# Allegro board POWERBOARD_V1_11_20240516.brd (continued)
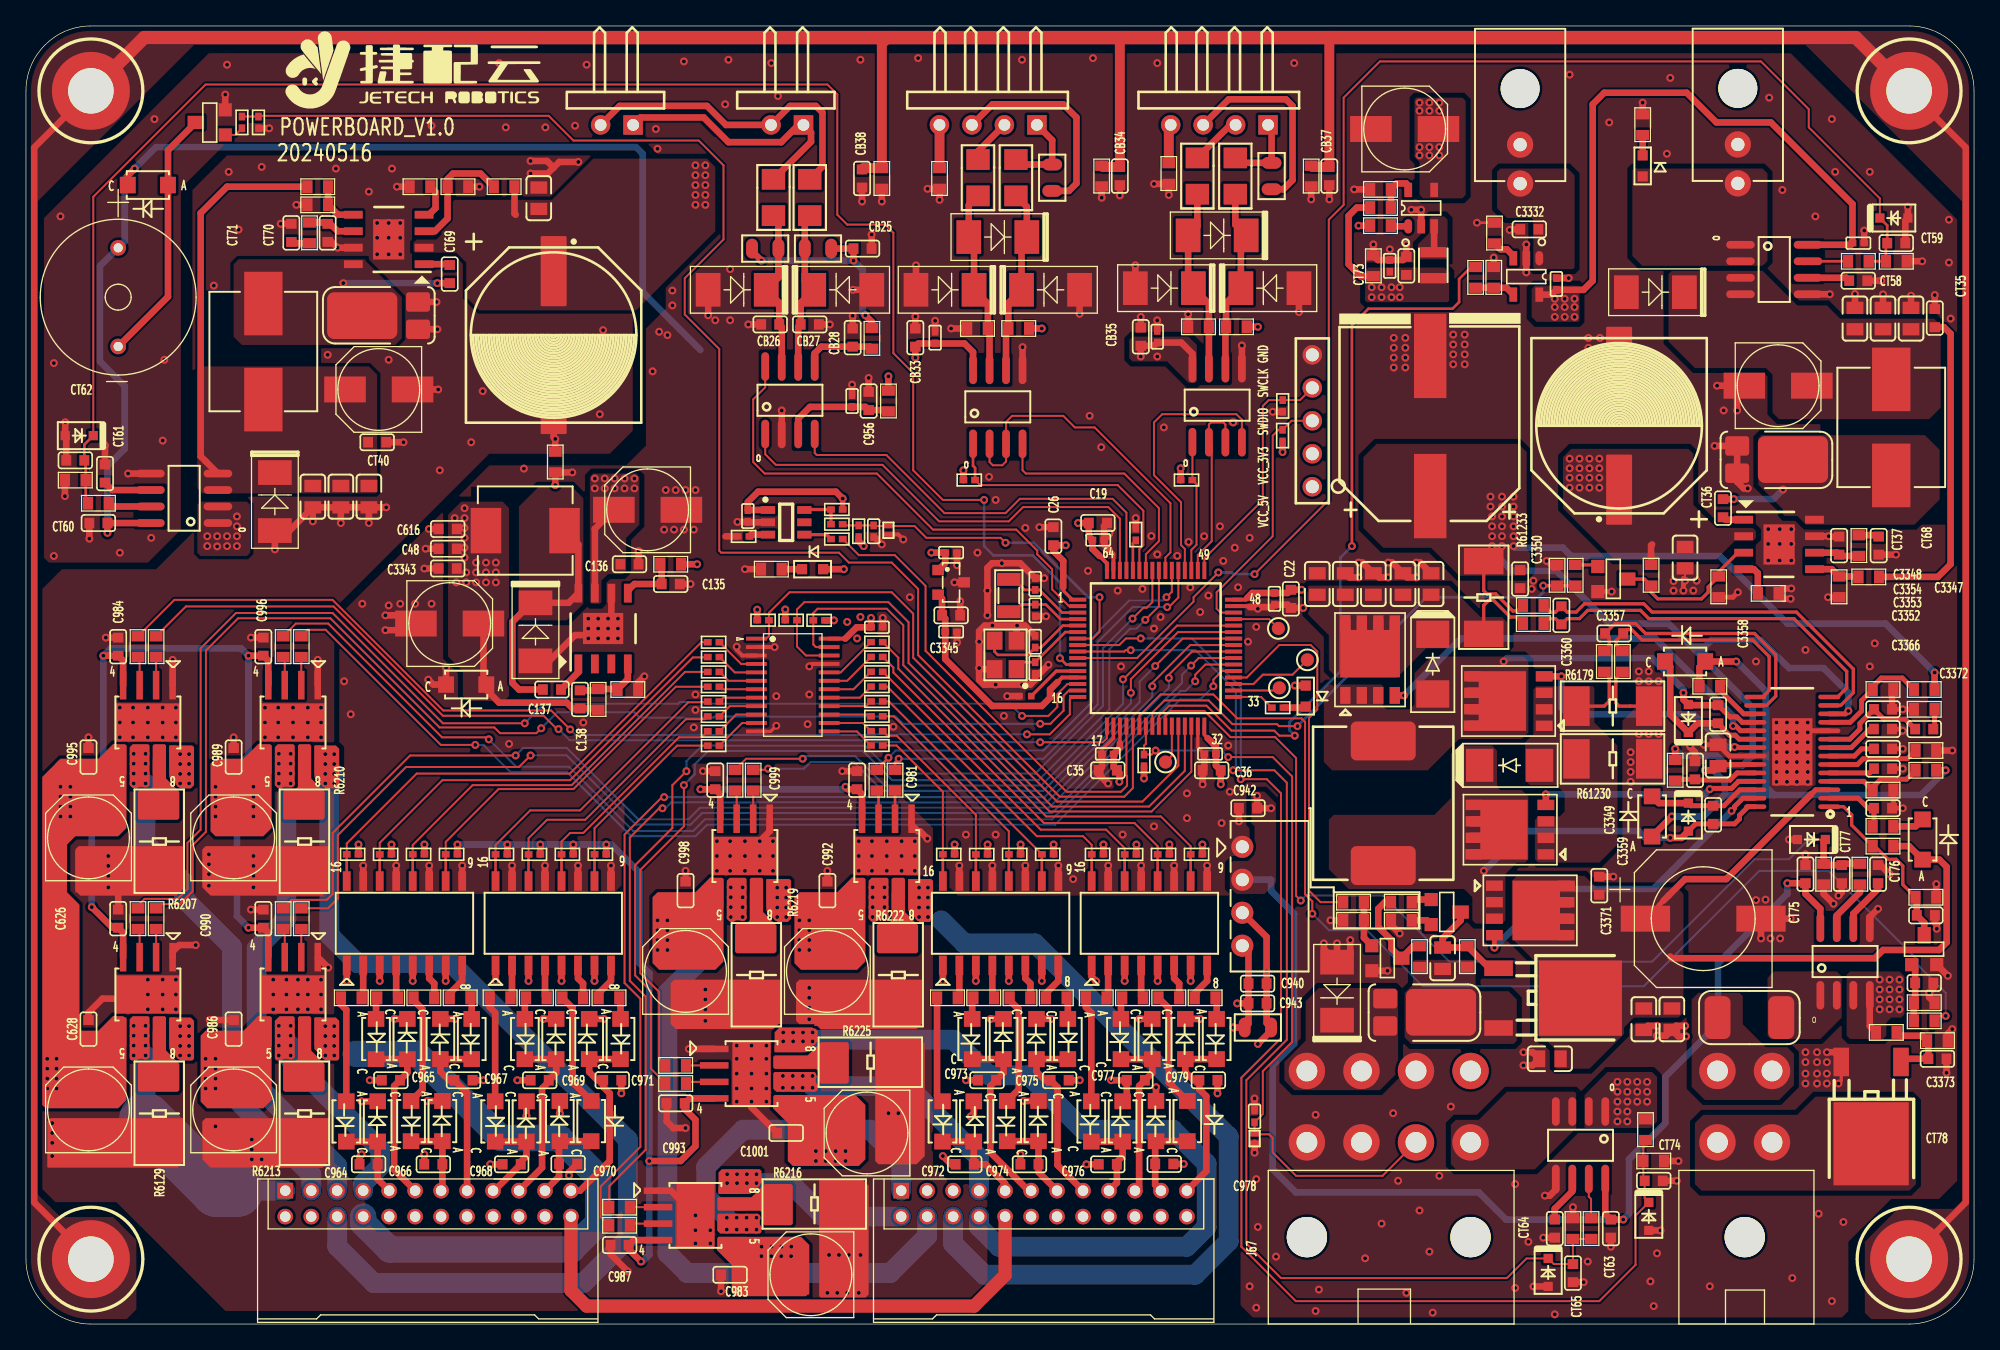
[diagram p0: board, top side]
## Copper pours and planes (outline as drawn; the poured copper is in the pictures) (continued)
VCC_5V on TOP: 94.35,40.75 94.35,38.6 94.6,38.34 94.6,36.18 94.1,35.67 92.95,35.67 92.7,35.42 92.7,33.64 93.21,33.13 95.37,33.13 96.25,34.02 96.25,40.12 95.37,41.01 94.6,41.01
VCC_5V on TOP: 119.5,80 116.19,80 115.94,79.74 115.94,77.58 116.32,77.2 119.5,77.2 119.62,77.33 119.62,79.87
VCC_5V on TOP: 32.5,62.34 32.5,51.42 33.64,50.28 33.64,48.37 34.02,47.99 36.82,47.99 37.2,48.37 37.2,62.85 36.69,63.36 33.52,63.36
VCC_5V on BOTTOM: 49.2,72.82 48.5,72.12 48.5,65.39 47.36,64.25 34.41,64.25 32.5,62.34 32.5,58.03 32.56,57.96 32.56,57.07 32.63,57.01 32.63,53.58 33.39,52.82 52.82,52.82 55.74,55.74 71.62,55.74 72.63,56.76 72.63,63.49 73.14,64 76.82,64 78.47,62.34 94.1,62.34 95.62,60.82 95.62,53.96 94.86,53.2 94.86,51.8 94.35,51.3 94.35,42.66 94.6,42.41 94.6,41.14 94.35,40.88 94.35,38.72 94.73,38.34 94.73,36.56 93.84,35.67 93.21,35.67 92.7,35.17 92.7,33.77 93.33,33.13 96.13,33.13 97.46,34.47 97.46,46.85 100.76,50.15 100.76,52.25 100.83,52.31 100.83,60.06 104.32,63.55 107.49,63.55 108.57,64.63 114.92,64.63 119.62,69.33 119.62,81.65 112.26,89.01 112.26,93.71 110.61,95.36 102.22,95.36 92.19,85.33 68.06,85.33 66.16,83.43 66.16,77.33 65.14,76.31 50.92,76.31 49.2,74.6
VCC_5V_OUTPUT on TOP: 113.53,89.01 118.73,89.01 119.24,88.51 119.24,81.39 119.11,81.27 116.19,81.27 116.07,81.39 116.07,85.08 115.94,85.2 114.03,85.2 113.27,85.97 113.27,88.76
VCC_12V_B on TOP: 147.44,70.6 147.44,76.95 146.93,77.46 139.69,77.46 138.67,78.47 136.39,78.47 133.72,81.14 126.73,81.14 126.48,80.89 126.48,75.68 128.51,73.65 133.97,73.65 134.48,73.14 134.48,70.22 134.99,69.71 146.55,69.71
VCC_12V_OUTPUT on TOP: 133.72,89.01 123.81,89.01 123.69,88.89 123.69,82.28 124.45,81.52 133.72,81.52 134.1,81.9 134.1,88.63
VCC_28V5_INPUT on TOP: 97.65,18.02 104.26,18.02 105.65,19.42 105.65,25.64 105.4,25.9 99.56,25.9 98.54,24.88 98.54,21.83 96.89,20.18 96.89,18.78
VCC_ISO on POWER03: 69.97,28.18 90.67,28.18 92.57,30.09 94.1,30.09 94.48,29.71 94.48,21.96 91.81,19.29 91.81,3.92 89.52,1.64 44.57,1.64 43.04,3.16 43.04,23.36 41.52,24.88 24.88,24.88 24.25,25.51 24.25,28.05 24.5,28.31 44.31,28.31 45.2,27.42 45.2,6.08 46.98,4.31 85.08,4.31 88,7.23 88,24.24 87.62,24.63 70.09,24.63 69.33,25.39 69.33,27.55
(no net) on TOP: 65.39,12.56 65.39,22.09 68.7,22.09 69.2,21.58 69.2,12.94 68.57,12.31 65.65,12.31
(no net) on TOP: 8.24,44.69 9.39,44.69 9.51,44.56 9.51,41.52 9.26,41.26 8.24,41.26 7.99,41.52 7.99,44.44
(no net) on TOP: 12.18,15.86 12.18,12.56 11.67,12.05 1.64,12.05 1.64,15.61 1.89,15.86
(no net) on TOP: 54.22,34.4 55.36,34.4 55.49,34.28 55.49,31.23 55.23,30.98 54.22,30.98 53.96,31.23 53.96,34.15
(no net) on TOP: 19.55,23.74 20.56,23.74 20.69,23.61 20.69,20.56 20.44,20.31 19.29,20.31 19.17,20.43 19.17,23.36
(no net) on TOP: 57.52,18.15 57.52,19.29 57.65,19.42 60.82,19.42 60.95,19.29 60.95,18.02 60.82,17.89 57.77,17.89
(no net) on TOP: 8.24,23.74 9.39,23.74 9.51,23.61 9.51,20.56 9.26,20.31 8.12,20.31 7.99,20.43 7.99,23.48
(no net) on TOP: 10.91,44.44 10.91,41.39 11.04,41.26 12.69,41.26 12.94,41.52 12.94,44.44 12.82,44.56 11.04,44.56
(no net) on TOP: 58.66,12.56 58.66,15.48 57.52,16.62 57.52,17.51 57.65,17.64 63.87,17.64 64.63,16.88 64.63,12.69 64.12,12.18 59.04,12.18
(no net) on TOP: 53.46,9.89 56.5,9.89 56.63,10.02 56.63,11.8 56.5,11.93 53.58,11.93 53.33,11.67 53.33,10.02
(no net) on TOP: 19.42,44.69 20.56,44.69 20.69,44.56 20.69,41.52 20.44,41.26 19.42,41.26 19.17,41.52 19.17,44.44
(no net) on TOP: 4.31,22.59 5.58,22.59 6.72,23.74 7.48,23.74 7.74,23.48 7.74,17.26 7.1,16.62 1.51,16.62 1.26,16.88 1.26,42.15 2.53,43.42 3.67,43.42 4.56,42.53 4.56,38.34 3.16,36.94 3.16,33.26 4.12,32.31 4.12,22.78
(no net) on TOP: 48.63,33.26 51.55,33.26 52.69,34.4 53.58,34.4 53.71,34.28 53.71,27.93 53.07,27.29 48.76,27.29 48.25,27.8 48.25,32.88
(no net) on TOP: 10.91,23.48 10.91,20.43 11.04,20.31 12.82,20.31 12.94,20.43 12.94,23.36 12.69,23.61 11.04,23.61
(no net) on TOP: 2.66,43.55 5.58,43.55 6.72,44.69 7.61,44.69 7.74,44.56 7.74,38.21 7.1,37.58 2.78,37.58 2.27,38.09 2.27,43.17
(no net) on TOP: 67.81,34.15 67.81,31.1 67.93,30.98 69.58,30.98 69.84,31.23 69.84,34.15 69.71,34.28 67.93,34.28
(no net) on TOP: 54.34,2.4 54.34,4.56 53.2,5.7 53.2,6.59 53.33,6.72 59.68,6.72 60.31,6.08 60.31,2.27 60.19,2.27 60.06,2.15 54.6,2.15
(no net) on TOP: 14.59,43.55 16.75,43.55 17.9,44.69 18.78,44.69 18.91,44.56 18.91,38.21 18.28,37.58 14.59,37.58 14.21,37.96 14.21,43.17
(no net) on TOP: 53.2,7.23 53.2,8.37 53.33,8.5 56.38,8.5 56.63,8.24 56.63,7.1 56.5,6.97 53.46,6.97
(no net) on TOP: 13.83,22.59 16.75,22.59 17.9,23.74 18.78,23.74 18.91,23.61 18.91,17.26 18.28,16.62 13.96,16.62 13.45,17.13 13.45,22.21
(no net) on TOP: 59.55,33.26 62.47,33.26 63.62,34.4 64.5,34.4 64.63,34.28 64.63,27.93 64,27.29 59.68,27.29 59.17,27.8 59.17,32.88
(no net) on TOP: 13.83,15.86 23.36,15.86 23.36,12.56 22.85,12.05 14.21,12.05 13.58,12.69 13.58,15.61
(no net) on TOP: 59.55,26.53 69.08,26.53 69.08,23.23 68.57,22.72 59.93,22.72 59.3,23.36 59.3,26.28
(no net) on TOP: 22.09,23.48 22.09,20.43 22.21,20.31 23.99,20.31 24.12,20.43 24.12,23.36 23.86,23.61 22.21,23.61
(no net) on TOP: 4.05,36.82 12.18,36.82 12.18,33.52 11.67,33.01 4.18,33.01 3.8,33.39 3.8,36.56
(no net) on TOP: 65.14,34.4 66.28,34.4 66.41,34.28 66.41,31.23 66.16,30.98 65.14,30.98 64.89,31.23 64.89,34.15
(no net) on TOP: 22.09,44.44 22.09,41.39 22.21,41.26 23.99,41.26 24.12,41.39 24.12,44.31 23.86,44.56 22.21,44.56
(no net) on TOP: 57.77,20.82 60.82,20.82 60.95,20.94 60.95,22.59 60.69,22.85 58.03,22.85 57.65,22.47 57.65,20.94
(no net) on TOP: 56.88,34.15 56.88,31.1 57.01,30.98 58.66,30.98 58.92,31.23 58.92,34.15 58.79,34.28 57.01,34.28
(no net) on TOP: 49.9,26.53 58.15,26.53 58.15,23.23 57.65,22.72 50.03,22.72 49.65,23.1 49.65,26.28
(no net) on TOP: 61.08,2.15 61.08,11.16 64.38,11.16 64.89,10.66 64.89,2.27 64.63,2.02 61.2,2.02
(no net) on TOP: 13.83,36.82 23.36,36.82 23.36,33.52 22.85,33.01 14.21,33.01 13.58,33.64 13.58,36.56
BAT_5S+ on TOP: 134.1,22.21 134.1,26.66 134.61,27.17 139.43,27.17 139.82,26.78 139.82,23.61 138.16,21.96 134.35,21.96
MOTOR_OUT1_0 on BOTTOM: 9.77,23.48 6.47,23.48 6.08,23.1 6.08,15.35 13.58,7.86 17.9,7.86 19.04,9 20.44,9 20.82,9.39 20.82,10.66 19.93,11.54 18.15,11.54 17.39,12.31 15.86,12.31 10.66,17.51 10.66,22.59
MOTOR_OUT1_1 on BOTTOM: 7.86,44.18 7.86,40.75 8.24,40.37 9.89,40.37 10.15,40.63 10.15,43.93 9.64,44.44 8.12,44.44
MOTOR_OUT1_2 on BOTTOM: 18.91,44.18 18.91,40.25 19.29,39.87 21.2,39.87 21.45,40.12 21.45,44.18 21.2,44.44 19.17,44.44
MOTOR_OUT1_3 on BOTTOM: 19.04,18.66 25.01,12.69 25.01,9.77 25.39,9.39 26.91,9.39 27.04,9.51 27.04,10.66 28.18,11.8 28.18,14.47 22.21,20.43 22.21,23.1 21.83,23.48 19.42,23.48 19.04,23.1
MOTOR_OUT1_4 on BOTTOM: 53.07,8.88 56.25,8.88 56.76,8.37 56.76,6.97 56.12,6.34 54.34,6.34 53.07,7.61
MOTOR_OUT1_5 on POWER03: 56.25,34.15 53.33,34.15 52.06,32.88 52.06,15.35 52.69,14.72 53.71,14.72 53.84,14.85 63.11,14.85 64,13.96 64,6.97 64.12,6.85 69.84,6.85 69.97,6.97 69.97,11.04 68.44,12.56 68.44,16.75 63.23,21.96 63.23,27.8 62.85,28.18 57.65,28.18 56.38,29.45 56.38,34.02
MOTOR_OUT1_6 on BOTTOM: 64.76,34.15 64.76,30.85 64.89,30.72 66.54,30.72 66.66,30.85 66.66,33.9 66.41,34.15
MOTOR_OUT1_6 on POWER03: 66.66,34.15 64.12,34.15 63.62,33.64 63.62,22.34 68.82,17.13 68.82,12.94 70.47,11.29 70.47,9.51 70.73,9.26 74.41,9.26 74.66,9.51 74.66,17.89 73.78,18.78 73.78,19.93 68,25.7 68,31.55 66.92,32.63 66.92,33.9
MOTOR_OUT1_7 on BOTTOM: 57.52,19.67 57.9,20.05 67.93,20.05 74.41,13.58 74.41,9.77 74.03,9.39 73.14,9.39 72.25,10.27 72.25,12.43 67.81,16.88 57.9,16.88 57.52,17.26
MOTOR_OUT2_0 on POWER03: 9.51,22.97 9.51,20.56 8.88,19.93 8.88,12.94 15.99,5.83 19.93,5.83 20.56,6.46 20.56,8.88 20.05,9.39 19.17,9.39 12.94,15.61 12.94,23.23 12.82,23.36 9.89,23.36
MOTOR_OUT2_1 on POWER03: 9.89,43.8 9.89,41.9 7.1,39.1 7.1,33.64 2.91,29.45 2.91,11.67 13.07,1.51 22.85,1.51 23.48,2.15 23.48,7.99 22.59,8.88 21.71,8.88 21.2,8.37 21.2,6.85 20.05,5.7 15.48,5.7 8.5,12.69 8.5,19.16 7.74,19.93 7.74,25.39 13.32,30.98 13.32,44.18 13.07,44.44 10.53,44.44
MOTOR_OUT2_2 on BOTTOM: 22.47,44.18 22.47,41.01 22.72,40.75 24.37,40.75 24.63,41.01 24.63,44.06 24.25,44.44 22.72,44.44
MOTOR_OUT2_3 on BOTTOM: 22.72,23.23 22.72,20.56 23.23,20.05 25.64,20.05 26.15,20.56 26.15,22.09 24.88,23.36 22.85,23.36
MOTOR_OUT2_4 on BOTTOM: 56.76,10.02 54.09,10.02 53.46,10.66 53.46,11.67 54.98,13.2 59.17,13.2 62.98,9.39 67.81,9.39 68.19,9 68.19,7.61 67.81,7.23 59.55,7.23
MOTOR_OUT2_5 on BOTTOM: 56.06,33.96 55.74,33.64 55.74,31.1 55.11,30.47 52.06,30.47 50.03,28.44 50.03,26.91 50.66,26.28 57.14,26.28 58.92,28.05 58.92,33.9 58.85,33.96
MOTOR_OUT2_6 on BOTTOM: 67.81,34.15 67.81,31.23 69.08,29.96 71.87,29.96 72.12,30.21 72.12,31.99 69.84,34.28 67.93,34.28
MOTOR_OUT2_7 on BOTTOM: 58.15,22.72 61.58,22.72 61.84,22.47 61.84,21.32 61.58,21.07 58.15,21.07 57.9,21.32 57.9,22.47
V_SYSTEM on TOP: 120,15.1 125.08,15.1 125.59,15.61 125.59,19.04 125.21,19.42 121.78,19.42 120,17.64
V_SYSTEM on TOP: 118.35,66.79 118.35,62.85 122.29,58.92 130.16,58.92 131.56,60.31 132.96,60.31 133.21,60.57 133.21,61.07 132.96,61.33 130.16,61.33 128.39,63.11 128.39,67.04 128,67.42 118.99,67.42
V_SYSTEM on TOP: 29.96,82.54 33.14,82.54 33.9,81.78 33.9,79.11 34.91,78.09 46.98,78.09 53.07,84.19 53.07,89.14 52.44,89.78 43.68,89.78 40.5,86.6 33.01,86.6 31.99,85.59 31.99,83.93 31.61,83.55 30.09,83.55 29.83,83.3 29.83,82.66
V_SYSTEM on TOP: 140.45,27.17 144.26,27.17 144.64,26.78 144.64,23.86 144.39,23.61 143.63,23.61 143.24,23.23 143.24,22.21 142.99,21.96 140.45,21.96 140.2,22.21 140.2,26.91
V_SYSTEM on TOP: 43.42,55.61 43.42,65.27 43.68,65.52 46.98,65.52 47.23,65.27 47.23,61.58 46.22,60.57 46.22,58.03 45.96,57.77 44.82,57.77 44.31,57.26 44.31,55.61 44.18,55.49 43.55,55.49
V_SYSTEM on POWER03: 50.66,93.33 50.66,70.09 46.6,66.03 43.17,66.03 42.91,65.77 42.91,56.88 44.69,55.11 55.36,55.11 55.42,55.17 60.88,55.17 61.84,56.12 61.84,64.38 67.04,69.58 67.04,74.41 73.65,81.01 107.56,81.01 112.13,76.44 112.13,71.62 121.15,62.6 146.8,62.6 147.94,63.74 147.94,82.16 132.96,97.14 54.47,97.14
V_SYSTEM on POWER03: 117.97,67.81 117.97,65.01 118.73,64.25 118.73,16.5 119.62,15.61 122.04,15.61 122.8,14.85 126.1,14.85 128.39,17.13 147.05,17.13 147.94,18.02 147.94,64.88 144.77,68.06 118.23,68.06
VM_12V on TOP (solid shape): 6.89,44.67 6.94,44.66 7.6,44.66 7.63,44.66 7.66,44.64 7.71,44.59 7.73,44.56 7.73,44.53 7.73,41.41 7.74,38.25 7.73,38.22 7.71,38.19 7.12,37.6 7.1,37.58 7.07,37.58 2.81,37.58 2.78,37.58 2.76,37.6 2.3,38.06 2.28,38.09 2.27,38.12 2.27,43.14 2.28,43.16 2.3,43.19 2.63,43.53 2.66,43.54 2.69,43.55 5.54,43.55 5.57,43.55 5.6,43.57 6.7,44.67 6.72,44.69 6.75,44.69 6.82,44.69
VM_12V on TOP (solid shape): 18.07,44.67 18.11,44.66 18.78,44.66 18.81,44.66 18.83,44.64 18.89,44.59 18.9,44.56 18.91,44.53 18.91,41.41 18.91,38.25 18.91,38.22 18.89,38.19 18.3,37.6 18.27,37.58 18.24,37.58 14.62,37.58 14.6,37.58 14.57,37.6 14.23,37.94 14.22,37.96 14.21,37.99 14.21,43.14 14.22,43.16 14.23,43.19 14.57,43.53 14.6,43.54 14.62,43.55 16.72,43.55 16.75,43.55 16.77,43.57 17.87,44.67 17.9,44.69 17.93,44.69 18,44.69
VM_12V on TOP (solid shape): 52.86,34.38 52.91,34.38 53.58,34.38 53.61,34.37 53.63,34.35 53.69,34.3 53.7,34.27 53.71,34.25 53.71,31.12 53.71,27.96 53.7,27.93 53.69,27.9 53.1,27.31 53.07,27.3 53.04,27.29 48.79,27.29 48.76,27.3 48.73,27.31 48.27,27.78 48.25,27.8 48.25,27.83 48.25,32.85 48.25,32.88 48.27,32.9 48.61,33.24 48.63,33.26 48.66,33.26 51.52,33.26 51.55,33.27 51.57,33.28 52.67,34.38 52.7,34.4 52.72,34.4 52.8,34.4
VM_12V on TOP (solid shape): 63.84,17.64 63.87,17.63 63.89,17.62 64.61,16.9 64.63,16.88 64.63,16.85 64.63,12.72 64.63,12.69 64.61,12.66 64.15,12.2 64.12,12.18 64.09,12.18 59.07,12.18 59.05,12.18 59.02,12.2 58.68,12.54 58.67,12.56 58.66,12.59 58.66,15.45 58.66,15.48 58.64,15.5 57.54,16.6 57.52,16.63 57.52,16.66 57.52,16.73 57.54,16.8 57.55,16.84 57.55,17.51 57.55,17.54 57.57,17.56 57.62,17.62 57.65,17.63 57.68,17.64 60.93,17.64
VM_12V on TOP (solid shape): 18.07,23.71 18.11,23.71 18.78,23.71 18.81,23.7 18.83,23.69 18.89,23.63 18.91,23.61 18.91,23.58 18.91,20.33 18.91,17.29 18.91,17.26 18.89,17.24 18.3,16.65 18.27,16.63 18.24,16.62 13.99,16.62 13.96,16.63 13.94,16.65 13.47,17.11 13.46,17.13 13.45,17.16 13.45,22.18 13.46,22.21 13.47,22.23 13.81,22.57 13.83,22.59 13.86,22.59 16.72,22.59 16.75,22.6 16.77,22.62 17.87,23.71 17.9,23.73 17.93,23.74 18,23.74
VM_12V on TOP (solid shape): 63.79,34.38 63.83,34.38 64.5,34.38 64.53,34.37 64.55,34.35 64.61,34.3 64.62,34.27 64.63,34.25 64.63,31.12 64.63,27.96 64.63,27.93 64.61,27.9 64.02,27.31 63.99,27.3 63.96,27.29 59.71,27.29 59.68,27.3 59.66,27.31 59.19,27.78 59.18,27.8 59.17,27.83 59.17,31.12 59.17,32.85 59.18,32.88 59.19,32.9 59.53,33.24 59.55,33.26 59.58,33.26 62.44,33.26 62.47,33.27 62.49,33.28 63.59,34.38 63.62,34.4 63.65,34.4 63.72,34.4
VM_12V on TOP (solid shape): 59.65,6.72 59.68,6.71 59.7,6.7 60.29,6.11 60.31,6.08 60.31,6.05 60.31,2.35 60.29,2.3 60.24,2.27 60.22,2.27 60.19,2.27 60.16,2.25 60.08,2.17 60.06,2.15 60.03,2.15 54.63,2.15 54.6,2.15 54.58,2.17 54.37,2.38 54.35,2.4 54.34,2.43 54.34,4.53 54.34,4.56 54.32,4.58 53.22,5.68 53.21,5.7 53.2,5.73 53.2,5.81 53.22,5.87 53.23,5.92 53.23,6.59 53.23,6.62 53.25,6.64 53.31,6.7 53.33,6.71 53.36,6.72 56.61,6.72
VM_12V on TOP (solid shape): 3.64,43.42 3.67,43.42 3.69,43.4 4.54,42.55 4.55,42.53 4.56,42.5 4.56,38.37 4.55,38.34 4.54,38.32 3.19,36.97 3.17,36.94 3.16,36.91 3.16,33.29 3.17,33.26 3.19,33.24 4.09,32.33 4.11,32.31 4.12,32.28 4.12,22.82 4.12,22.79 4.14,22.76 4.28,22.62 4.31,22.6 4.34,22.59 5.54,22.59 5.57,22.6 5.6,22.62 6.7,23.71 6.72,23.73 6.75,23.74 6.82,23.74 6.89,23.71 6.94,23.71 7.48,23.71 7.51,23.7 7.53,23.69 7.71,23.5 7.73,23.48 7.73,23.45 7.73,20.33 7.74,17.29 7.73,17.26 7.71,17.24 7.12,16.65 7.1,16.63 7.07,16.62 1.54,16.62 1.51,16.63 1.49,16.65 1.28,16.86 1.26,16.88 1.26,16.91 1.26,42.12 1.26,42.15 1.28,42.17 2.51,43.4 2.53,43.42 2.56,43.42
VM_12V on TOP: 17.01,63.36 13.45,63.36 13.2,63.11 13.2,59.42 13.45,59.17 17.01,59.17 17.26,59.42 17.26,63.11
VM_12V on BOTTOM: 1.26,17.89 1.26,42.41 2.4,43.55 3.93,43.55 4.31,43.17 4.31,18.02 3.93,17.64 1.51,17.64
VM_12V on POWER03: 13.2,63.23 29.58,63.23 39.61,53.2 60.95,53.2 61.71,52.44 61.71,41.14 62.98,39.87 62.98,28.82 62.6,28.44 58.54,28.44 56.76,30.21 56.76,34.53 56.5,34.79 55.61,34.79 55.49,34.66 53.07,34.66 51.55,33.13 51.55,15.1 52.31,14.34 62.85,14.34 63.62,13.58 63.62,7.61 60.69,4.69 47.42,4.69 45.77,6.34 45.77,32.88 45.58,32.88 44.95,33.52 25.26,33.52 17.9,26.15 17.9,18.53 17.01,17.64 13.7,17.64 13.45,17.89 13.45,30.09 14.21,30.85 14.21,44.56 13.58,45.2 8.75,45.2 6.72,43.17 6.72,34.4 2.66,30.34 2.66,17.89 2.53,17.77 1.51,17.77 1.26,18.02 1.26,56.25 2.66,57.65 11.04,57.65 12.94,59.55 12.94,62.98
VM_12V_B on TOP: 13.58,64 26.91,64 27.04,64.12 27.04,73.14 26.4,73.77 13.58,73.77 13.2,73.39 13.2,64.38
VSYSTEM_PWR+ on TOP: 104,67.81 114.92,67.81 115.56,67.17 115.56,59.68 115.81,59.42 115.81,58.03 115.43,57.65 110.35,57.65 108.19,59.8 104.51,59.8 102.99,61.33 102.99,66.79
VSYSTEM_PWR+ on POWER03: 105.27,64.12 103.24,62.09 103.24,25.51 109.08,19.67 109.08,18.28 110.1,17.26 115.81,17.26 117.78,19.23 117.78,63.68 117.34,64.12
VSYSTEM_PWR- on TOP: 110.1,15.74 111.88,15.74 114.03,17.89 119.24,17.89 119.37,17.77 119.37,15.1 116.19,11.93 110.1,11.93 109.72,12.31 109.72,15.35
N17289153 on TOP: 133.64,68.48 146.21,68.48 147.36,67.33 147.36,63.52 145.42,61.58 137.06,61.58 136.39,62.25 135.42,62.25 135.29,62.38 135.29,62.76 133.39,64.67 133.39,68.22
N17582853 on TOP: 37.96,54.22 41.64,54.22 42.91,55.49 42.91,63.61 42.03,64.5 39.49,64.5 37.96,62.98
N17822009 on TOP: 128.26,25.01 128.26,18.28 129.27,17.26 134.99,17.26 136.13,18.4 136.13,20.82 135.62,21.32 133.97,21.32 132.2,23.1 132.2,25.26 131.94,25.51 128.77,25.51
N17822042 on TOP: 129.15,16.12 136.39,16.12 137.78,17.51 145.15,17.51 145.53,17.13 145.53,10.78 145.02,10.27 129.02,10.27 128.51,10.78 128.51,15.48
N17856105 on TOP: 15.99,81.65 15.99,76.06 16.63,75.43 28.44,75.43 28.94,75.93 28.94,79.11 26.15,81.9 26.15,82.03 16.37,82.03
N17906431 on TOP: 109.46,82.03 107.3,82.03 107.18,82.16 107.18,83.17 108.07,84.06 108.07,85.2 108.19,85.33 109.21,85.33 109.46,85.08
N18041825 on TOP: 116.45,35.55 121.15,35.55 122.54,36.94 122.54,44.56 120.77,46.34 120.77,49.01 120.64,49.14 116.32,49.14 116.07,48.88 116.07,45.45 115.43,44.82 115.43,41.9 115.81,41.52 117.84,41.52 118.48,40.88 118.48,39.48 118.1,39.1 116.45,39.1 116.19,38.85 116.19,35.8
N18042240 on TOP: 107.94,42.66 110.35,45.07 115.18,45.07 115.69,45.58 115.69,51.04 115.3,51.42 108.19,51.42 106.92,50.15 106.92,47.74 106.54,47.36 104.76,47.36 104.51,47.61 104.51,49.14 104.38,49.26 100.83,49.26 100.7,49.14 100.57,49.26 100.19,49.26 99.94,49.01 99.94,43.29 100.57,42.66
N18042684 on TOP: 101.84,33.52 110.73,33.52 111.37,32.88 111.37,31.1 111.62,30.85 113.65,30.85 113.91,31.1 113.91,34.66 114.8,35.55 115.43,35.55 115.69,35.8 115.69,40.63 115.18,41.14 113.53,41.14 113.27,41.39 113.27,44.18 112.89,44.56 110.35,44.56 109.72,43.93 109.72,40.5 108.45,39.23 100.7,39.23 100.32,38.85 100.32,35.04
N18043158 on TOP: 117.72,19.8 117.72,21.2 116.96,21.96 116.7,21.96 116.19,22.47 116.19,27.93 114.42,29.71 114.42,34.15 114.8,34.53 120,34.53 120.89,33.64 127.12,33.64 127.62,33.13 127.62,23.99 127.24,23.61 123.81,23.61 123.05,22.85 123.05,22.34 120.38,19.67 117.84,19.67
N18043426 on TOP: 98.67,56.76 98.67,54.72 100.32,53.07 100.32,50.41 100.95,49.77 105.53,49.77 107.81,52.06 113.91,52.06 114.16,52.31 114.16,53.96 113.65,54.47 112,54.47 109.59,56.88 98.79,56.88
N18057626 on TOP: 106.8,27.93 106.8,26.15 106.16,25.51 106.16,22.09 106.67,21.58 114.54,21.58 114.8,21.83 114.8,25.01 114.16,25.64 112,25.64 111.62,26.02 111.62,27.8 111.37,28.05 106.92,28.05
12VGND on TOP (solid shape): 12.1,15.86 12.16,15.84 12.18,15.79 12.18,12.59 12.17,12.56 12.16,12.54 11.69,12.07 11.67,12.06 11.64,12.05 1.72,12.05 1.66,12.07 1.64,12.13 1.64,15.58 1.64,15.61 1.66,15.63 1.87,15.84 1.9,15.86 1.92,15.86
12VGND on TOP (solid shape): 12.1,36.82 12.16,36.79 12.18,36.74 12.18,33.62 12.17,33.59 12.16,33.56 11.63,33.03 11.6,33.01 11.57,33.01 4.21,33.01 4.18,33.01 4.16,33.03 3.82,33.37 3.8,33.39 3.8,33.42 3.8,36.53 3.8,36.56 3.82,36.59 4.03,36.79 4.05,36.81 4.08,36.82
12VGND on TOP (solid shape): 23.28,36.82 23.33,36.79 23.36,36.74 23.36,33.55 23.35,33.52 23.33,33.49 22.87,33.03 22.85,33.01 22.82,33.01 14.24,33.01 14.21,33.01 14.19,33.03 13.6,33.62 13.58,33.64 13.58,33.67 13.58,36.53 13.58,36.56 13.6,36.59 13.81,36.79 13.83,36.81 13.86,36.82
12VGND on TOP (solid shape): 23.28,15.86 23.33,15.84 23.36,15.79 23.36,12.59 23.35,12.56 23.33,12.54 22.87,12.07 22.85,12.06 22.82,12.05 14.24,12.05 14.21,12.06 14.19,12.07 13.6,12.66 13.58,12.69 13.58,12.72 13.58,15.58 13.58,15.61 13.6,15.63 13.81,15.84 13.83,15.86 13.86,15.86
12VGND on TOP (solid shape): 64.35,11.16 64.37,11.16 64.4,11.14 64.86,10.68 64.88,10.65 64.89,10.62 64.89,2.3 64.88,2.28 64.86,2.25 64.68,2.07 64.65,2.05 64.62,2.04 61.21,2.04 61.18,2.05 61.15,2.07 61.1,2.12 61.08,2.15 61.08,2.18 61.08,11.09 61.1,11.14 61.15,11.16
12VGND on TOP (solid shape): 68.66,22.09 68.69,22.08 68.72,22.06 69.18,21.6 69.2,21.57 69.2,21.55 69.2,12.97 69.2,12.94 69.18,12.92 68.59,12.33 68.57,12.31 68.54,12.31 65.68,12.31 65.65,12.31 65.62,12.33 65.42,12.54 65.4,12.56 65.39,12.59 65.39,22.01 65.42,22.06 65.47,22.09
12VGND on TOP (solid shape): 58.08,26.53 58.13,26.51 58.15,26.45 58.15,23.26 58.15,23.23 58.13,23.21 58.05,23.12 58.02,23.11 58,23.1 57.95,23.1 57.92,23.1 57.9,23.08 57.56,22.74 57.54,22.73 57.51,22.72 50.06,22.72 50.03,22.73 50,22.74 49.67,23.08 49.65,23.1 49.65,23.13 49.65,26.24 49.65,26.27 49.67,26.3 49.88,26.51 49.9,26.52 49.93,26.53
12VGND on TOP (solid shape): 69,26.53 69.05,26.51 69.08,26.45 69.08,23.26 69.07,23.23 69.05,23.21 68.59,22.74 68.57,22.73 68.54,22.72 61.21,22.72 61.18,22.73 61.16,22.74 60.82,23.08 60.8,23.1 60.77,23.1 59.58,23.1 59.55,23.11 59.53,23.12 59.32,23.33 59.3,23.36 59.3,23.39 59.3,26.24 59.3,26.27 59.32,26.3 59.53,26.51 59.55,26.52 59.58,26.53
MOTOR_OUT1_0 on TOP (solid shape): 9.38,23.71 9.41,23.7 9.44,23.69 9.49,23.63 9.51,23.61 9.51,23.58 9.51,20.59 9.51,20.56 9.49,20.54 9.41,20.46 9.38,20.44 9.35,20.43 8.78,20.43 8.66,20.41 8.55,20.34 8.52,20.31 8.49,20.31 8.15,20.31 8.12,20.31 8.09,20.33 8.01,20.41 7.99,20.44 7.99,20.47 7.99,23.45 7.99,23.48 8.01,23.5 8.19,23.69 8.22,23.7 8.25,23.71
MOTOR_OUT1_1 on TOP (solid shape): 9.38,44.66 9.41,44.66 9.44,44.64 9.49,44.59 9.51,44.56 9.51,44.53 9.51,41.55 9.51,41.52 9.49,41.49 9.41,41.41 9.38,41.4 9.35,41.39 8.78,41.39 8.66,41.36 8.55,41.29 8.52,41.27 8.49,41.26 8.27,41.26 8.25,41.27 8.22,41.28 8.01,41.49 7.99,41.52 7.99,41.55 7.99,44.41 7.99,44.43 8.01,44.46 8.19,44.64 8.22,44.66 8.25,44.66
MOTOR_OUT1_2 on TOP (solid shape): 20.56,44.66 20.59,44.66 20.61,44.64 20.67,44.59 20.68,44.56 20.69,44.53 20.69,41.55 20.68,41.52 20.67,41.49 20.58,41.41 20.56,41.4 20.53,41.39 19.96,41.39 19.83,41.36 19.72,41.29 19.69,41.27 19.66,41.26 19.45,41.26 19.42,41.27 19.4,41.28 19.19,41.49 19.17,41.52 19.17,41.55 19.17,44.41 19.17,44.43 19.19,44.46 19.37,44.64 19.39,44.66 19.42,44.66
MOTOR_OUT1_3 on TOP (solid shape): 20.56,23.71 20.59,23.7 20.61,23.69 20.67,23.63 20.68,23.61 20.69,23.58 20.69,20.59 20.68,20.56 20.67,20.54 20.58,20.46 20.56,20.44 20.53,20.43 19.96,20.43 19.83,20.41 19.72,20.34 19.69,20.31 19.66,20.31 19.32,20.31 19.29,20.31 19.27,20.33 19.19,20.41 19.17,20.44 19.17,20.47 19.17,23.32 19.17,23.35 19.19,23.38 19.5,23.69 19.52,23.7 19.55,23.71
MOTOR_OUT1_4 on TOP (solid shape): 56.34,8.5 56.37,8.49 56.4,8.47 56.48,8.39 56.5,8.37 56.5,8.34 56.5,7.77 56.53,7.64 56.6,7.53 56.62,7.5 56.63,7.47 56.63,7.13 56.62,7.1 56.61,7.08 56.53,6.99 56.5,6.98 56.47,6.97 53.49,6.97 53.46,6.98 53.43,6.99 53.25,7.18 53.23,7.2 53.23,7.23 53.23,8.36 53.23,8.39 53.25,8.42 53.31,8.47 53.33,8.49 53.36,8.5
MOTOR_OUT1_5 on TOP (solid shape): 55.36,34.38 55.39,34.37 55.41,34.35 55.46,34.3 55.48,34.27 55.49,34.25 55.49,31.26 55.48,31.23 55.46,31.21 55.38,31.12 55.36,31.11 55.33,31.1 54.76,31.1 54.63,31.08 54.52,31.01 54.49,30.98 54.46,30.98 54.25,30.98 54.22,30.98 54.19,31 53.99,31.21 53.97,31.23 53.96,31.26 53.96,34.12 53.97,34.15 53.99,34.17 54.17,34.35 54.19,34.37 54.22,34.38
MOTOR_OUT1_6 on TOP (solid shape): 66.28,34.38 66.31,34.37 66.33,34.35 66.39,34.3 66.4,34.27 66.41,34.25 66.41,31.26 66.4,31.23 66.39,31.21 66.3,31.12 66.28,31.11 66.25,31.1 65.68,31.1 65.55,31.08 65.44,31.01 65.41,30.98 65.38,30.98 65.17,30.98 65.14,30.98 65.12,31 64.91,31.21 64.89,31.23 64.89,31.26 64.89,34.12 64.89,34.15 64.91,34.17 65.09,34.35 65.11,34.37 65.14,34.38
MOTOR_OUT1_7 on TOP (solid shape): 60.68,19.42 60.71,19.41 60.74,19.4 60.8,19.33 60.81,19.31 60.82,19.28 60.82,18.69 60.85,18.56 60.92,18.45 60.94,18.42 60.95,18.39 60.95,18.05 60.94,18.02 60.93,18 60.84,17.92 60.82,17.9 60.79,17.89 57.8,17.89 57.78,17.9 57.75,17.92 57.57,18.1 57.55,18.12 57.55,18.15 57.55,19.29 57.55,19.32 57.57,19.34 57.62,19.4 57.65,19.41 57.68,19.42
MOTOR_OUT2_0 on TOP (solid shape): 12.66,23.61 12.69,23.6 12.71,23.59 12.92,23.38 12.94,23.35 12.94,23.32 12.94,20.47 12.94,20.44 12.92,20.41 12.84,20.33 12.81,20.31 12.78,20.31 11.94,20.31 11.91,20.31 11.88,20.33 11.77,20.45 11.69,20.51 11.65,20.57 11.06,21.15 11.04,21.18 11.04,21.21 11.04,23.53 11.06,23.59 11.11,23.61
MOTOR_OUT2_1 on TOP (solid shape): 12.78,44.56 12.81,44.56 12.84,44.54 12.92,44.46 12.94,44.43 12.94,44.41 12.94,41.55 12.94,41.52 12.92,41.49 12.71,41.28 12.69,41.27 12.66,41.26 11.94,41.26 11.91,41.27 11.88,41.28 11.77,41.4 11.69,41.46 11.65,41.52 11.06,42.11 11.04,42.13 11.04,42.16 11.04,44.49 11.06,44.54 11.11,44.56
MOTOR_OUT2_2 on TOP (solid shape): 23.83,44.56 23.86,44.56 23.89,44.54 24.1,44.33 24.11,44.31 24.12,44.28 24.12,41.42 24.11,41.39 24.1,41.37 24.01,41.28 23.99,41.27 23.96,41.26 23.11,41.26 23.08,41.27 22.94,41.4 22.87,41.46 22.82,41.52 22.24,42.11 22.22,42.13 22.21,42.16 22.21,44.49 22.24,44.54 22.29,44.56
MOTOR_OUT2_3 on TOP (solid shape): 23.83,23.61 23.86,23.6 23.89,23.59 24.1,23.38 24.11,23.35 24.12,23.32 24.12,20.47 24.11,20.44 24.1,20.41 24.01,20.33 23.99,20.31 23.96,20.31 23.11,20.31 23.08,20.31 23.06,20.33 22.94,20.45 22.87,20.51 22.82,20.57 22.24,21.15 22.22,21.18 22.21,21.21 22.21,23.53 22.24,23.59 22.29,23.61
MOTOR_OUT2_4 on TOP (solid shape): 56.47,11.93 56.5,11.92 56.53,11.9 56.61,11.82 56.62,11.8 56.63,11.77 56.63,10.92 56.62,10.89 56.61,10.87 56.49,10.75 56.43,10.68 56.37,10.63 55.79,10.04 55.76,10.03 55.73,10.02 53.4,10.02 53.35,10.04 53.33,10.1 53.33,11.64 53.33,11.67 53.35,11.69 53.56,11.9 53.58,11.92 53.61,11.93
MOTOR_OUT2_5 on TOP (solid shape): 58.76,34.28 58.79,34.27 58.81,34.25 58.89,34.17 58.91,34.15 58.92,34.12 58.92,31.26 58.91,31.23 58.89,31.21 58.68,31 58.66,30.98 58.63,30.98 57.91,30.98 57.88,30.98 57.86,31 57.74,31.11 57.67,31.18 57.62,31.23 57.03,31.82 57.02,31.84 57.01,31.87 57.01,34.2 57.03,34.25 57.09,34.28
MOTOR_OUT2_6 on TOP (solid shape): 69.68,34.28 69.71,34.27 69.73,34.25 69.82,34.17 69.83,34.15 69.84,34.12 69.84,31.26 69.83,31.23 69.82,31.21 69.61,31 69.58,30.98 69.55,30.98 68.83,30.98 68.8,30.98 68.78,31 68.66,31.11 68.59,31.18 68.54,31.23 67.96,31.82 67.94,31.84 67.93,31.87 67.93,34.2 67.96,34.25 68.01,34.28
MOTOR_OUT2_7 on TOP (solid shape): 60.51,22.85 60.54,22.84 60.63,22.78 60.71,22.76 60.75,22.76 60.78,22.76 60.8,22.74 60.93,22.62 60.94,22.59 60.95,22.56 60.95,21.84 60.94,21.81 60.93,21.79 60.81,21.67 60.75,21.6 60.69,21.55 60.1,20.96 60.08,20.95 60.05,20.94 57.72,20.94 57.67,20.96 57.65,21.02 57.65,22.43 57.65,22.46 57.67,22.49 58,22.82 58.03,22.84 58.06,22.85
N17722812 on TOP (solid shape): 10.65,23.71 10.68,23.7 10.71,23.69 10.76,23.63 10.78,23.61 10.78,23.58 10.78,21.1 10.79,21.07 10.81,21.05 11.45,20.4 11.51,20.33 11.59,20.27 11.78,20.08 11.79,20.05 11.8,20.02 11.8,18.05 11.79,18.02 11.78,18 11.69,17.92 11.67,17.9 11.64,17.89 8.78,17.89 8.75,17.9 8.73,17.92 8.65,18 8.63,18.02 8.62,18.05 8.62,20.02 8.63,20.05 8.65,20.08 8.73,20.16 8.75,20.17 8.78,20.18 9.48,20.18 9.51,20.19 9.54,20.2 9.74,20.41 9.76,20.44 9.77,20.47 9.77,23.58 9.77,23.61 9.79,23.63 9.84,23.69 9.87,23.7 9.9,23.71
N17813081 on TOP (solid shape): 10.65,44.66 10.68,44.66 10.71,44.64 10.76,44.59 10.78,44.56 10.78,44.53 10.78,42.06 10.79,42.03 10.81,42 11.45,41.35 11.51,41.28 11.59,41.22 11.78,41.03 11.79,41.01 11.8,40.98 11.8,39.01 11.79,38.98 11.78,38.95 11.69,38.87 11.67,38.85 11.64,38.85 8.78,38.85 8.75,38.85 8.73,38.87 8.65,38.95 8.63,38.98 8.62,39.01 8.62,40.98 8.63,41.01 8.65,41.03 8.73,41.11 8.75,41.13 8.78,41.14 9.48,41.14 9.51,41.14 9.54,41.16 9.74,41.37 9.76,41.39 9.77,41.42 9.77,44.53 9.77,44.56 9.79,44.59 9.84,44.64 9.87,44.66 9.9,44.66
N17813297 on TOP (solid shape): 21.83,44.66 21.86,44.66 21.88,44.64 21.94,44.59 21.95,44.56 21.96,44.53 21.96,42.06 21.96,42.03 21.98,42 22.63,41.35 22.69,41.28 22.76,41.22 22.95,41.03 22.97,41.01 22.98,40.98 22.98,39.01 22.97,38.98 22.95,38.95 22.87,38.87 22.85,38.85 22.82,38.85 19.96,38.85 19.93,38.85 19.9,38.87 19.82,38.95 19.81,38.98 19.8,39.01 19.8,40.98 19.81,41.01 19.82,41.03 19.9,41.11 19.93,41.13 19.96,41.14 20.66,41.14 20.69,41.14 20.71,41.16 20.92,41.37 20.94,41.39 20.94,41.42 20.94,44.53 20.95,44.56 20.97,44.59 21.02,44.64 21.05,44.66 21.07,44.66
N17813534 on TOP (solid shape): 21.83,23.71 21.86,23.7 21.88,23.69 21.94,23.63 21.95,23.61 21.96,23.58 21.96,21.1 21.96,21.07 21.98,21.05 22.63,20.4 22.69,20.33 22.76,20.27 22.95,20.08 22.97,20.05 22.98,20.02 22.98,18.05 22.97,18.02 22.95,18 22.87,17.92 22.85,17.9 22.82,17.89 19.96,17.89 19.93,17.9 19.9,17.92 19.82,18 19.81,18.02 19.8,18.05 19.8,20.02 19.81,20.05 19.82,20.08 19.9,20.16 19.93,20.17 19.96,20.18 20.66,20.18 20.69,20.19 20.71,20.2 20.92,20.41 20.94,20.44 20.94,20.47 20.94,23.58 20.95,23.61 20.97,23.63 21.02,23.69 21.05,23.7 21.07,23.71
N17813791 on TOP (solid shape): 58.88,10.78 58.91,10.78 58.94,10.76 59.02,10.68 59.04,10.65 59.04,10.62 59.04,7.77 59.04,7.74 59.02,7.71 58.94,7.63 58.91,7.61 58.88,7.61 56.92,7.61 56.89,7.61 56.86,7.63 56.78,7.71 56.76,7.74 56.76,7.77 56.76,8.46 56.75,8.49 56.73,8.52 56.53,8.73 56.5,8.74 56.47,8.75 53.36,8.75 53.33,8.76 53.31,8.77 53.25,8.83 53.23,8.85 53.23,8.88 53.23,9.63 53.23,9.66 53.25,9.69 53.31,9.74 53.33,9.76 53.36,9.77 55.84,9.77 55.87,9.77 55.89,9.79 56.54,10.44 56.61,10.49 56.67,10.57 56.86,10.76 56.89,10.78 56.92,10.78
N17814070 on TOP (solid shape): 56.63,34.38 56.65,34.37 56.68,34.35 56.73,34.3 56.75,34.27 56.76,34.25 56.76,31.77 56.76,31.74 56.78,31.71 57.43,31.07 57.49,31 57.56,30.93 57.75,30.74 57.77,30.72 57.77,30.69 57.77,28.72 57.77,28.69 57.75,28.67 57.67,28.58 57.64,28.57 57.61,28.56 54.76,28.56 54.73,28.57 54.7,28.58 54.62,28.67 54.6,28.69 54.6,28.72 54.6,30.69 54.6,30.72 54.62,30.74 54.7,30.83 54.73,30.84 54.76,30.85 55.46,30.85 55.48,30.85 55.51,30.87 55.72,31.08 55.74,31.1 55.74,31.13 55.74,34.25 55.75,34.27 55.76,34.3 55.82,34.35 55.84,34.37 55.87,34.38
N17814369 on TOP (solid shape): 67.55,34.38 67.58,34.37 67.6,34.35 67.66,34.3 67.67,34.27 67.68,34.25 67.68,31.77 67.68,31.74 67.7,31.71 68.35,31.07 68.41,31 68.48,30.93 68.67,30.74 68.69,30.72 68.7,30.69 68.7,28.72 68.69,28.69 68.67,28.67 68.59,28.58 68.57,28.57 68.54,28.56 65.68,28.56 65.65,28.57 65.62,28.58 65.54,28.67 65.53,28.69 65.52,28.72 65.52,30.69 65.53,30.72 65.54,30.74 65.62,30.83 65.65,30.84 65.68,30.85 66.38,30.85 66.41,30.85 66.43,30.87 66.64,31.08 66.66,31.1 66.66,31.13 66.66,34.25 66.67,34.27 66.69,34.3 66.74,34.35 66.77,34.37 66.79,34.38
N17814691 on TOP (solid shape): 63.2,21.7 63.23,21.7 63.26,21.68 63.34,21.6 63.36,21.57 63.36,21.55 63.36,18.69 63.36,18.66 63.34,18.63 63.26,18.55 63.23,18.53 63.2,18.53 61.23,18.53 61.2,18.53 61.18,18.55 61.1,18.63 61.08,18.66 61.08,18.69 61.08,19.39 61.07,19.42 61.05,19.44 60.84,19.65 60.82,19.67 60.79,19.67 57.68,19.67 57.65,19.68 57.62,19.69 57.57,19.75 57.55,19.77 57.55,19.8 57.55,20.56 57.55,20.59 57.57,20.61 57.62,20.67 57.65,20.68 57.68,20.69 60.15,20.69 60.18,20.69 60.21,20.71 60.86,21.36 60.93,21.42 60.99,21.49 61.18,21.68 61.2,21.7 61.23,21.7

## Text on the board
User.Comments: CR_UNNAMED_1 | CR_LNB_2 | CR_UNNAMED_3 | CR_LNB_1
Ref Des/Silkscreen Top: 1 | GND | SWCLK | SWDIO | VCC_3V3 | VCC_5V | 20240516 | POWERBOARD_V1.0
COMPVAL_TYPE_TOP: 1.60
DEVICE_TYPE_TOP: F | 0.5mm | 20230216 | 6.2mm | 4 | 0.3mm) | 0.4mm | 6.6mm | ( | 97.20 | RF 4 | 5-\U+22053.20 | RF 3 | 106.00 | RF 2 | RF 1 | 1.60 | OUTLINE
DISPLAY_TOP: 97.20 | 5-   dia 3.20 | 106.00 | dia 8.00 | 1.60
User.6: 196.40 | 98.20 | 5-   dia 3.20 | 106.00 | dia 8.00 | 222.00 | 1.60
User.11: FIGURE | FINISHED_SIZE | 12.0 | 27.56 | 31.5 | 35.43 | 39.37 | 40.16 | 62.99 | 122.05 | 137.8 | 118.11 | DRILL CHART: TOP to BOTTOM | ALL UNITS ARE IN MILS | PLATED | NON-PLATED | QTY | 1079 | 2 | 48 | 12 | 9 | 4 | 3
